# KiCad board ESP32-P4-PC_Rev_B.kicad_pcb
title: ESP32-P4-PC; date: 2026-01-29; rev: B; company: OLIMEX LTD.; note: https://www.olimex.com
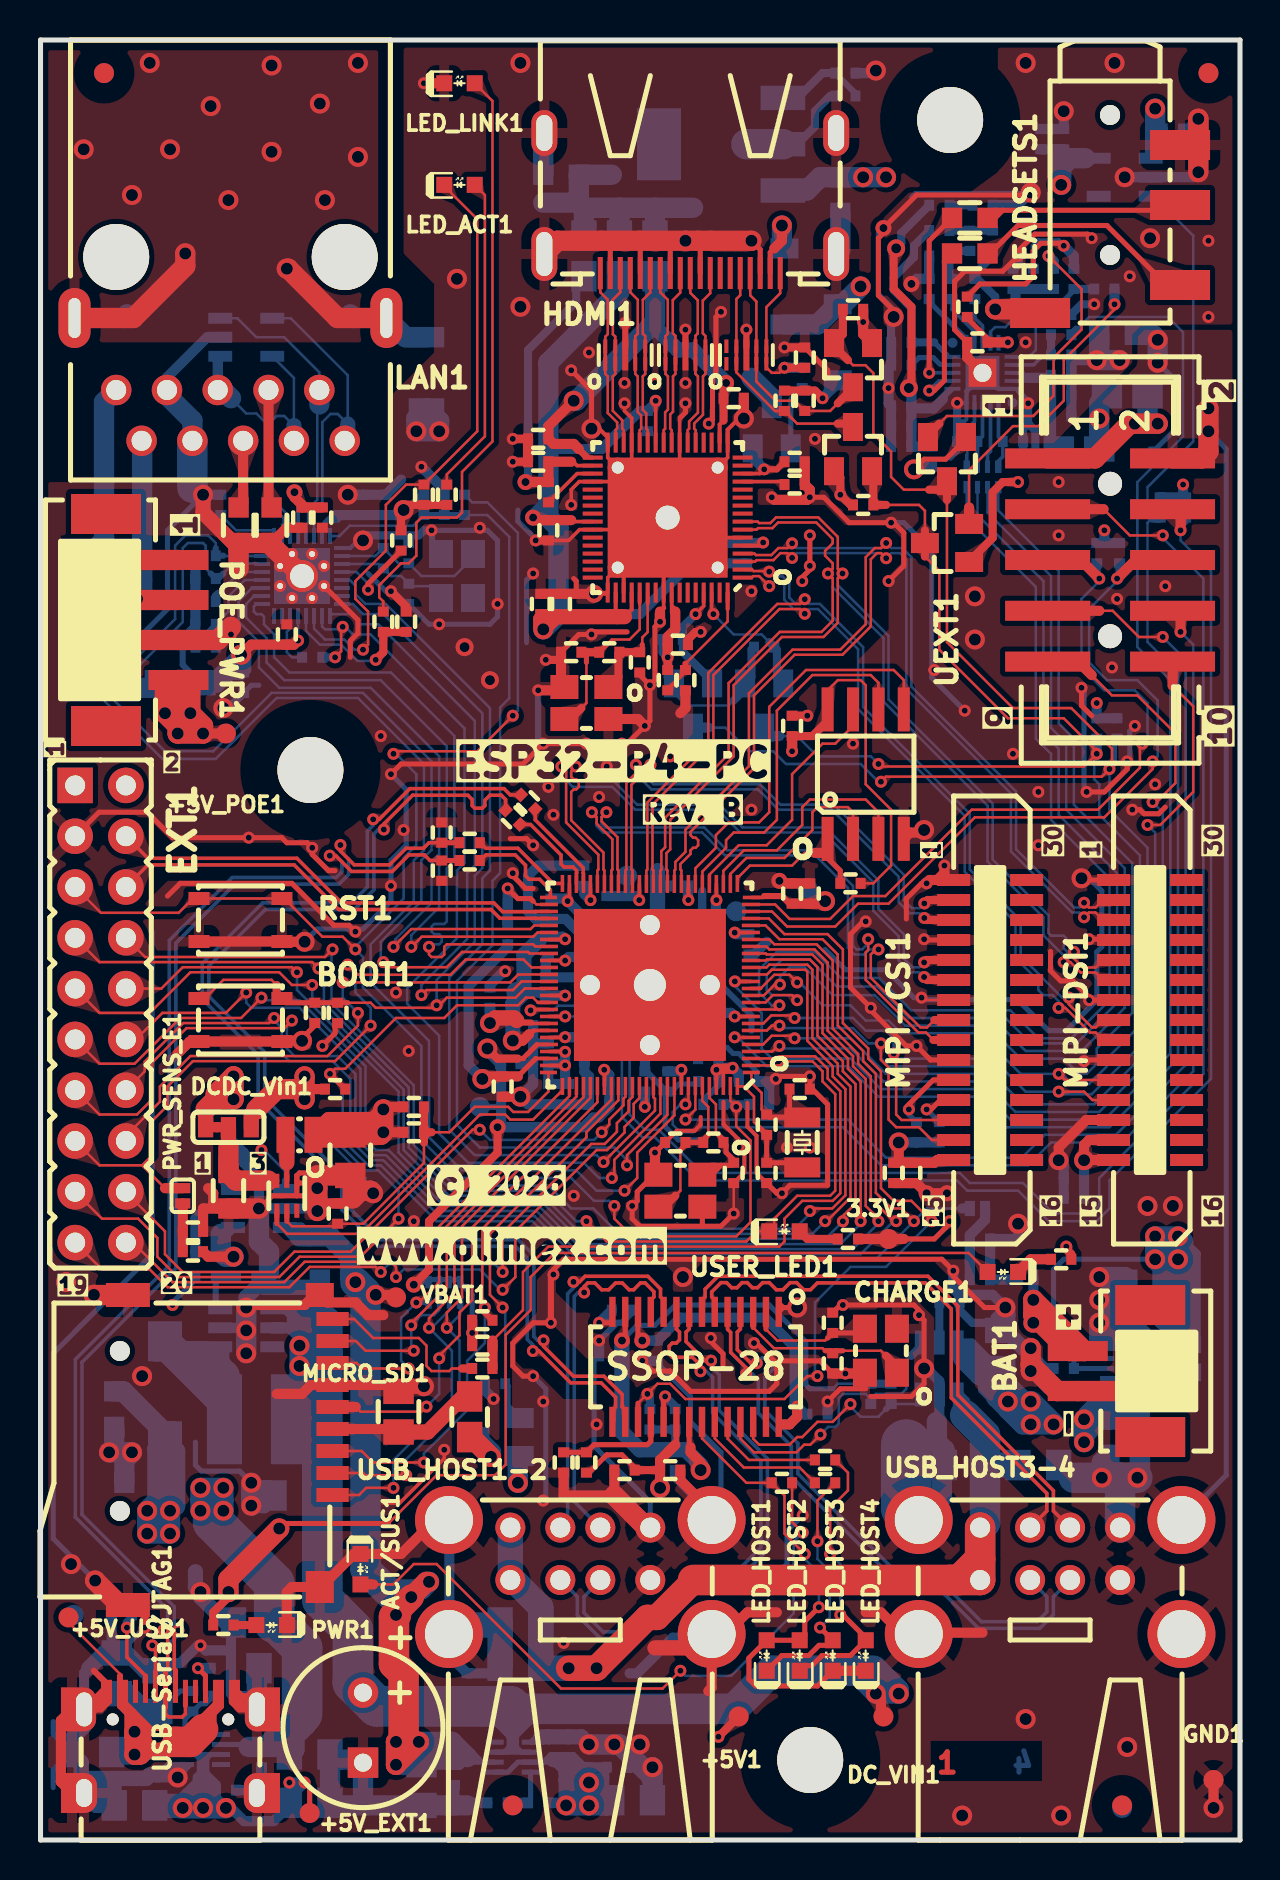
[diagram p0: board, top side]
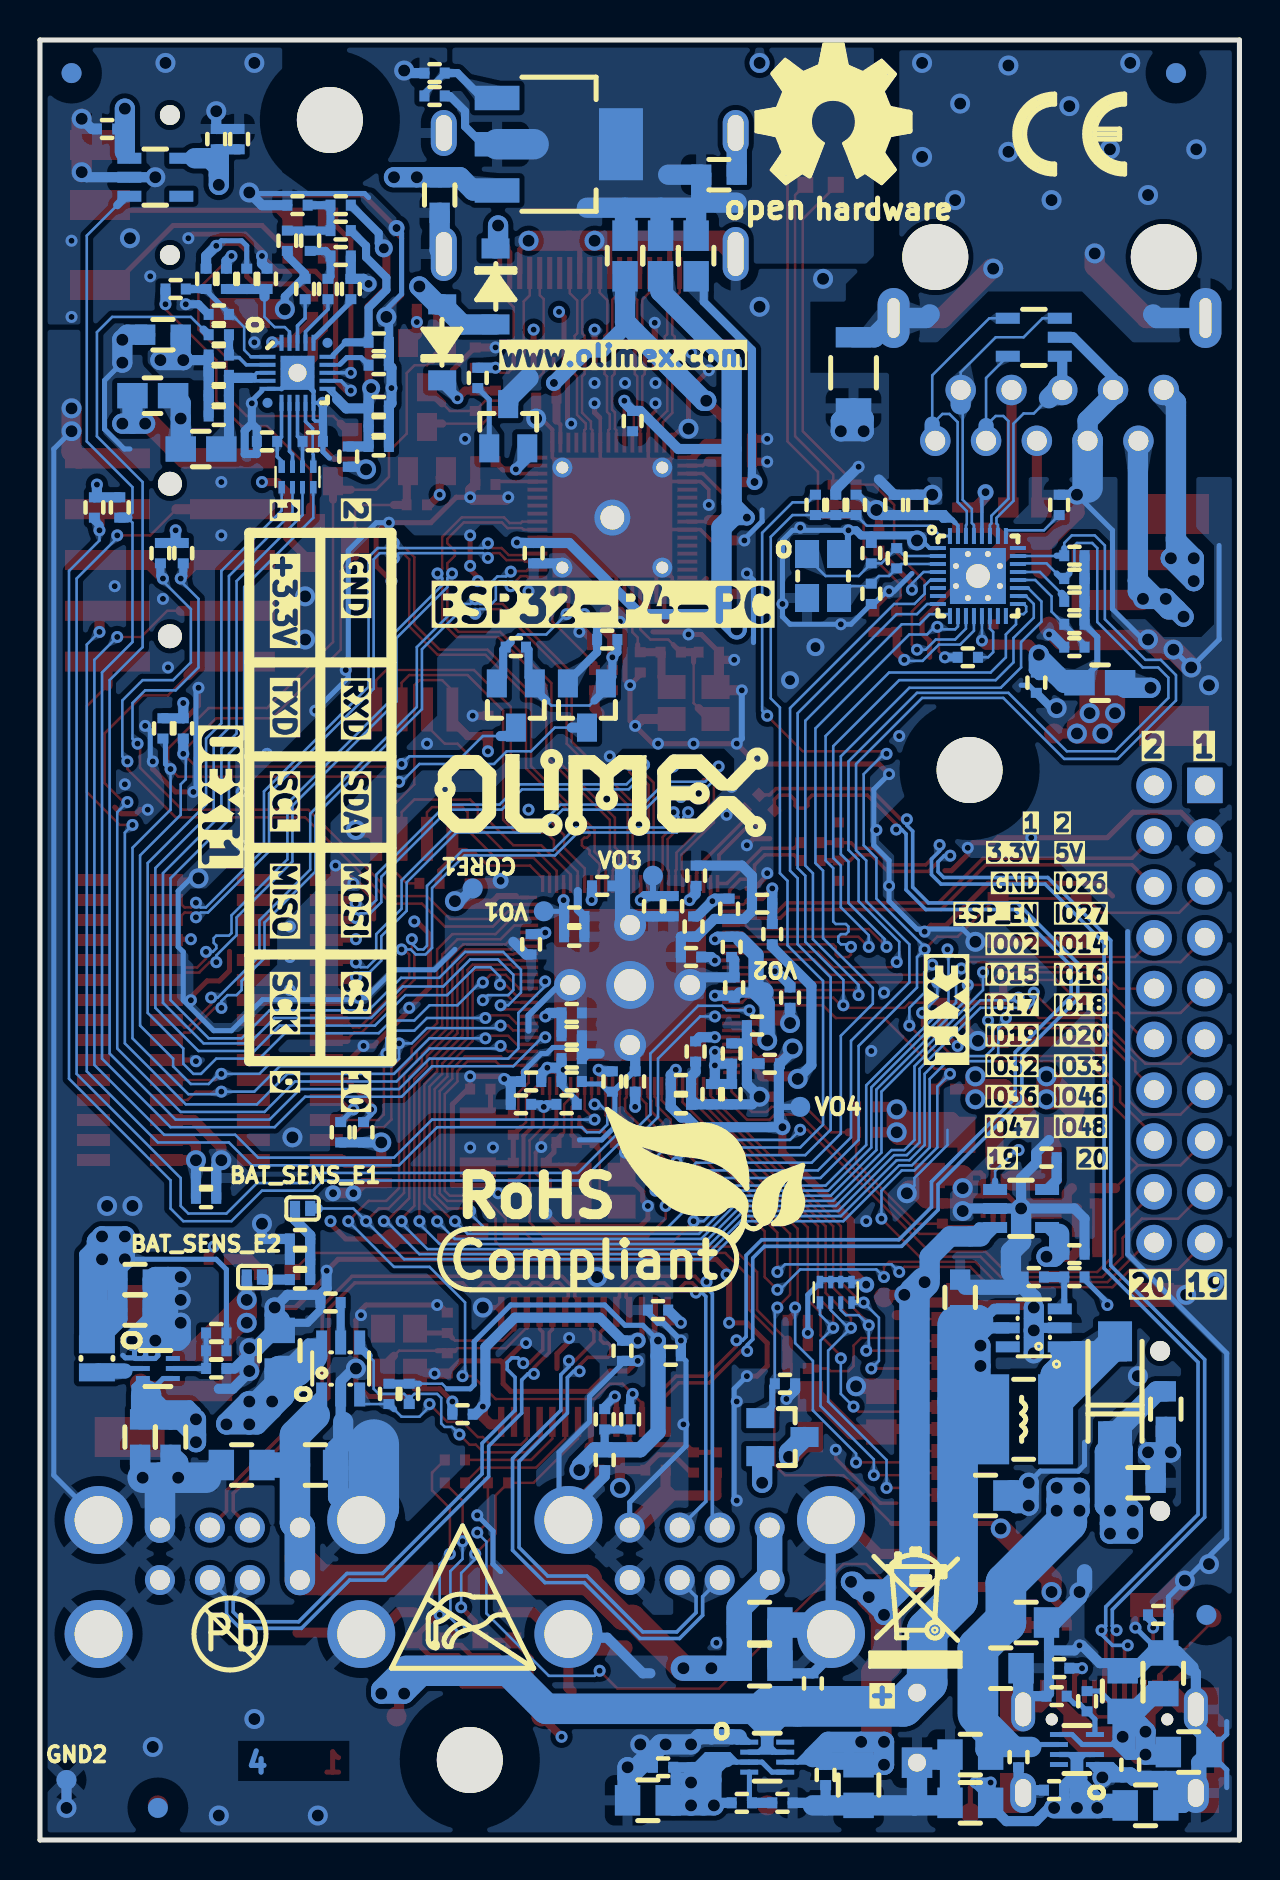
[diagram p1: board, bottom side, seen from below]

Outline 60 x 90 mm; copper layers: Top, In1.Cu, In2.Cu, Bottom. Coordinates in mm from the lower left corner of the outline.
Outline path: 0,90 0,0 60,0 60,90 0,90
Stack: Top 0.035mm / dielectric 0.127mm 2116 er 4.25 / In1.Cu 0.017mm / dielectric 1.2mm FR4 er 4.3 / In2.Cu 0.017mm / dielectric 0.127mm 2116 er 4.25 / Bottom 0.035mm

## Placement (name value [footprint] x y rotation side)
3.3V1  TESTPAD  [TESTPAD_40-ROUND]  42.42 30.05 0 top
+5V1  TESTPAD  [TESTPAD_40-ROUND]  34.93 6.18 0 top
+5V_EXT1  TESTPAD  [TESTPAD_40-ROUND]  13.46 1.35 0 top
+5V_POE1  TESTPAD  [TESTPAD_40-ROUND]  9.27 55.33 0 top
+5V_USB1  TESTPAD  [TESTPAD_40-ROUND]  1.4 11.13 0 top
ACT/SUS1  LED/RED/0603  [LED_0603_KA]  16 13.54 270 top
BAT1  PH2.0-2AT  [PH2.0-2AT(BAT)]  55.78 23.45 90 top
BAT_SENS_E1  Opened  [SJ_1_SMALLER]  46.86 31.58 180 bottom
BAT_SENS_E2  Opened  [SJ_1_SMALLER]  49.28 28.15 0 bottom
BOOT1  -  [YTS-A016-X]  10 41 0 top
C1  22pF/50V/5%/C0G/C0402  [C_0402_5MIL_DWS]  36.32 33.35 90 top
C2  22pF/50V/5%/C0G/C0402  [C_0402_5MIL_DWS]  37.97 37.55 180 top
C3  10uF/6.3V/20%/X5R/C0402  [C_0402_5MIL_DWS]  33.4 40.21 180 bottom
C4  100nF/10V/20%/X5R/C0402  [C_0402_5MIL_DWS]  33.4 41.36 180 bottom
C5  100nF/10V/20%/X5R/C0402  [C_0402_5MIL_DWS]  35.43 44.78 90 bottom
C6  10uF/6.3V/20%/X5R/C0402  [C_0402_5MIL_DWS]  38.48 47.32 90 top
C7  100nF/10V/20%/X5R/C0402  [C_0402_5MIL_DWS]  37.59 47.32 90 top
C8  1uF/6.3V/10%/X5R/C0402  [C_0402_5MIL_DWS]  33.28 45.17 0 bottom
C9  100nF/10V/20%/X5R/C0402  [C_0402_5MIL_DWS]  33.28 46.18 0 bottom
C10  1uF/6.3V/10%/X5R/C0402  [C_0402_5MIL_DWS]  28.32 46.69 270 bottom
C11  100nF/10V/20%/X5R/C0402  [C_0402_5MIL_DWS]  29.34 46.69 270 bottom
C12  100nF/10V/20%/X5R/C0402  [C_0402_5MIL_DWS]  25.53 46.56 270 bottom
C13  4.7uF/X5R/20%/10V/C0402  [C_0402_5MIL_DWS]  27.31 45.67 270 bottom
C14  47uF/6.3V/20%/X5R/C0805  [C_0805_5MIL_DWS]  17.91 21.42 90 top
C15  100nF/50V/20%/Y5V/C0603  [C_0603_5MIL_DWS]  11.56 65.74 90 top
C16  100nF/50V/20%/Y5V/C0603  [C_0603_5MIL_DWS]  9.91 65.74 90 top
C17  1nF/2000V/10%/X7R/C1206  [C_1206_5MIL_DWS_ISO]  19.31 73.36 90 bottom
C18  10uF/6.3V/20%/X5R/C0402  [C_0402_5MIL_DWS]  14.1 66.12 270 top
C19  100nF/10V/20%/X5R/C0402  [C_0402_5MIL_DWS]  13.08 66.12 270 top
C20  10uF/6.3V/20%/X5R/C0402  [C_0402_5MIL_DWS]  10.16 57.86 270 bottom
C21  100nF/10V/20%/X5R/C0402  [C_0402_5MIL_DWS]  12.32 60.28 90 top
C22  10uF/6.3V/20%/X5R/C0402  [C_0402_5MIL_DWS]  17.27 66.75 90 bottom
C23  100nF/10V/20%/X5R/C0402  [C_0402_5MIL_DWS]  16.13 66.75 90 bottom
C24  27pF/50V/5%/C0G/C0402  [C_0402_5MIL_DWS]  18.42 64.34 270 bottom
C25  27pF/50V/5%/C0G/C0402  [C_0402_5MIL_DWS]  18.42 62.31 90 bottom
C26  NA(10uF/6.3V/20%/X5R/C0402)  [C_0402_5MIL_DWS]  20.19 66.75 90 bottom
C27  150pF/50V/2%/NP0/C0402  [C_0402_5MIL_DWS]  20.07 50.37 90 top
C28  150pF/50V/2%/NP0/C0402  [C_0402_5MIL_DWS]  20.07 48.47 270 top
C29  10uF/6.3V/20%/X5R/C0402  [C_0402_5MIL_DWS]  43.56 33.35 270 top
C30  100nF/10V/20%/X5R/C0402  [C_0402_5MIL_DWS]  42.67 33.35 270 top
C31  100nF/10V/20%/X5R/C0402  [C_0402_5MIL_DWS]  9.27 2.49 180 bottom
C32  100nF/10V/20%/X5R/C0402  [C_0402_5MIL_DWS]  27.43 44.15 180 bottom
C33  NA(100nF/10V/20%/X5R/C0402)  [C_0402_5MIL_DWS]  23.88 46.82 180 bottom
C34  NA(22uF/6.3V/20%/X5R/C0603)  [C_0603_5MIL_DWS]  53.47 20.15 270 bottom
C35  22uF/6.3V/20%/X5R/C0603  [C_0603_5MIL_DWS]  9.4 32.47 270 top
C36  1uF/6.3V/10%/X5R/C0402  [C_0402_5MIL_DWS]  22.48 42.12 90 bottom
C37  22uF/6.3V/20%/X5R/C0603  [C_0603_5MIL_DWS]  54.99 20.15 270 bottom
C38  100nF/10V/20%/X5R/C0402  [C_0402_5MIL_DWS]  37.59 55.71 270 top
C39  1uF/6.3V/10%/X5R/C0402  [C_0402_5MIL_DWS]  24.13 40.72 180 bottom
C40  100nF/10V/20%/X5R/C0402  [C_0402_5MIL_DWS]  35.94 36.78 180 bottom
C41  10uF/6.3V/20%/X5R/C0402  [C_0402_5MIL_DWS]  35.43 37.93 180 bottom
C42  100nF/10V/20%/X5R/C0402  [C_0402_5MIL_DWS]  33.4 37.93 0 bottom
C43  100nF/10V/20%/X5R/C0402  [C_0402_5MIL_DWS]  33.4 39.07 0 bottom
C44  22pF/50V/5%/C0G/C0402  [C_0402_5MIL_DWS]  34.67 33.35 90 top
C45  22pF/50V/5%/C0G/C0402  [C_0402_5MIL_DWS]  31.75 34.88 0 top
C46  100nF/10V/20%/X5R/C0402  [C_0402_5MIL_DWS]  31.37 37.93 90 bottom
C47  100nF/10V/20%/X5R/C0402  [C_0402_5MIL_DWS]  30.23 37.93 270 bottom
C48  1uF/6.3V/10%/X5R/C0402  [C_0402_5MIL_DWS]  27.94 36.78 180 bottom
C49  100nF/10V/20%/X5R/C0402  [C_0402_5MIL_DWS]  27.94 37.8 180 bottom
C50  10uF/6.3V/20%/X5R/C0402  [C_0402_5MIL_DWS]  26.42 37.29 90 bottom
C51  100nF/10V/20%/X5R/C0402  [C_0402_5MIL_DWS]  25.4 39.32 270 bottom
C52  100nF/10V/20%/X5R/C0402  [C_0402_5MIL_DWS]  23.12 37.67 90 top
C53  100nF/10V/20%/X5R/C0402  [C_0402_5MIL_DWS]  25.4 37.29 90 bottom
C54  100nF/10V/20%/X5R/C0402  [C_0402_5MIL_DWS]  25.4 44.66 90 bottom
C55  1uF/6.3V/10%/X5R/C0402  [C_0402_5MIL_DWS]  25.27 42.62 270 bottom
C56  10uF/6.3V/20%/X5R/C0402  [C_0402_5MIL_DWS]  51.69 33.1 180 bottom
C57  100nF/10V/20%/X5R/C0402  [C_0402_5MIL_DWS]  51.69 32.08 180 bottom
C58  1uF/6.3V/10%/X5R/C0402  [C_0402_5MIL_DWS]  27.2 39.42 90 bottom
C59  NA(120pF/50V/5%/C0G/C0402)  [C_0402_5MIL_DWS]  51.18 25.35 180 bottom
C60  NA(100nF/10V/20%/X5R/C0402)  [C_0402_5MIL_DWS]  13.72 41.36 270 top
C61  1uF/6.3V/10%/X5R/C0402  [C_0402_5MIL_DWS]  23.5 38.81 180 bottom
C62  NA(120pF/50V/5%/C0G/C0402)  [C_0402_5MIL_DWS]  18.67 36.66 180 top
C63  22uF/6.3V/20%/X5R/C0603  [C_0603_5MIL_DWS]  55.25 26.5 180 bottom
C64  NA(22uF/6.3V/20%/X5R/C0603)  [C_0603_5MIL_DWS]  55.25 28.02 180 bottom
C65  47uF/6.3V/20%/X5R/C0805  [C_0805_5MIL_DWS]  15.5 34.24 270 top
C66  22uF/6.3V/20%/X5R/C0603  [C_0603_5MIL_DWS]  40.01 82.25 270 bottom
C67  10uF/6.3V/20%/X5R/C0402  [C_0402_5MIL_DWS]  31.5 18.5 0 top
C68  10uF/6.3V/20%/X5R/C0402  [C_0402_5MIL_DWS]  31.75 19 270 bottom
C69  100nF/10V/20%/X5R/C0402  [C_0402_5MIL_DWS]  28.45 24.21 180 bottom
C70  10uF/6.3V/20%/X5R/C0402  [C_0402_5MIL_DWS]  30.86 24.46 270 bottom
C71  100nF/10V/20%/X5R/C0402  [C_0402_5MIL_DWS]  38.86 21.29 0 bottom
C72  NA(27pF/50V/5%/C0G/C0402)  [C_0402_5MIL_DWS]  39.62 23.83 270 top
C73  NA(27pF/50V/5%/C0G/C0402)  [C_0402_5MIL_DWS]  39.62 25.86 90 top
C74  47uF/6.3V/20%/X5R/C0805  [C_0805_5MIL_DWS]  48.01 24.46 90 bottom
C75  22uF/6.3V/20%/X5R/C0603  [C_0603_5MIL_DWS]  26.04 83.27 180 bottom
C76  10uF/6.3V/20%/X5R/C0402  [C_0402_5MIL_DWS]  56.64 85.55 0 bottom
C77  20pF/50V/5%/NP0/C0402  [C_0402_5MIL_DWS]  51.06 76.28 0 bottom
C78  20pF/50V/5%/NP0/C0402  [C_0402_5MIL_DWS]  48.64 78.06 90 bottom
C79  27pF/50V/5%/C0G/C0402  [C_0402_5MIL_DWS]  46.36 69.93 180 bottom
C80  27pF/50V/5%/C0G/C0402  [C_0402_5MIL_DWS]  48.64 69.93 0 bottom
C81  27pF/50V/5%/C0G/C0402  [C_0402_5MIL_DWS]  51.06 74.25 0 bottom
C82  10uF/6.3V/20%/X5R/C0402  [C_0402_5MIL_DWS]  51.18 85.04 90 bottom
C83  NA(10uF/6.3V/20%/X5R/C0402)  [C_0402_5MIL_DWS]  51.06 71.2 0 bottom
C84  1uF/6.3V/10%/X5R/C0402  [C_0402_5MIL_DWS]  44.45 77.55 90 bottom
C85  100nF/10V/20%/X5R/C0402  [C_0402_5MIL_DWS]  51.06 73.23 0 bottom
C86  1uF/6.3V/10%/X5R/C0402  [C_0402_5MIL_DWS]  43.05 74.88 180 bottom
C87  100nF/10V/20%/X5R/C0402  [C_0402_5MIL_DWS]  51.06 72.22 0 bottom
C88  1uF/6.3V/10%/X5R/C0402  [C_0402_5MIL_DWS]  43.05 73.74 180 bottom
C89  NA(47uF/6.3V/20%/X5R/C0805)  [C_0805_5MIL_DWS]  49.91 18.75 180 bottom
C90  NA(47uF/6.3V/20%/X5R/C0805)  [C_0805_5MIL_DWS]  24 8.72 0 bottom
C91  100nF/10V/20%/X5R/C0402  [C_0402_5MIL_DWS]  29.21 18.5 0 top
C92  47uF/6.3V/20%/X5R/C0805  [C_0805_5MIL_DWS]  46.23 18.75 0 bottom
C93  47uF/6.3V/20%/X5R/C0805  [C_0805_5MIL_DWS]  24 10.88 0 bottom
C94  100nF/10V/20%/X5R/C0402  [C_0402_5MIL_DWS]  35.31 64.34 270 bottom
C95  100nF/10V/20%/X5R/C0402  [C_0402_5MIL_DWS]  34.67 72.09 0 top
C96  100nF/10V/20%/X5R/C0402  [C_0402_5MIL_DWS]  30.35 70.95 270 bottom
C97  1uF/6.3V/10%/X5R/C0402  [C_0402_5MIL_DWS]  45.59 77.55 270 bottom
C98  1uF/6.3V/10%/X5R/C0402  [C_0402_5MIL_DWS]  46.74 77.55 270 bottom
C99  10uF/6.3V/20%/X5R/C0402  [C_0402_5MIL_DWS]  43.05 69.68 180 bottom
C100  1uF/6.3V/10%/X5R/C0402  [C_0402_5MIL_DWS]  43.05 70.69 180 bottom
C101  100nF/10V/20%/X5R/C0402  [C_0402_5MIL_DWS]  43.05 71.71 0 bottom
C102  22uF/6.3V/20%/X5R/C0603  [C_0603_5MIL_DWS]  46.48 81.11 180 top
C103  22uF/6.3V/20%/X5R/C0603  [C_0603_5MIL_DWS]  46.48 79.33 180 top
C104  1uF/6.3V/10%/X5R/C0402  [C_0402_5MIL_DWS]  47.12 81.74 0 bottom
C105  100nF/10V/20%/X5R/C0402  [C_0402_5MIL_DWS]  32.26 57.99 90 top
C106  100nF/10V/20%/X5R/C0402  [C_0402_5MIL_DWS]  31.88 59.77 180 top
C107  100nF/10V/20%/X5R/C0402  [C_0402_5MIL_DWS]  26.04 61.8 270 top
C108  100nF/10V/20%/X5R/C0402  [C_0402_5MIL_DWS]  25.02 61.8 270 top
C109  100nF/10V/20%/X5R/C0402  [C_0402_5MIL_DWS]  25.4 65.48 90 top
C110  2.2nF/50V/10%/X7R/C0402  [C_0402_5MIL_DWS]  25.4 67.39 270 top
C111  100nF/10V/20%/X5R/C0402  [C_0402_5MIL_DWS]  24.89 68.91 0 top
C112  100nF/10V/20%/X5R/C0402  [C_0402_5MIL_DWS]  24.89 70.06 0 top
C113  27pF/50V/5%/C0G/C0402  [C_0402_5MIL_DWS]  29.97 58.88 90 top
C114  27pF/50V/5%/C0G/C0402  [C_0402_5MIL_DWS]  26.54 59.39 0 top
C115  100nF/10V/20%/X5R/C0402  [C_0402_5MIL_DWS]  46.99 30.05 180 bottom
C116  NA(47uF/6.3V/20%/X5R/C0805)  [C_0805_5MIL_DWS]  12.7 17.22 0 bottom
C117  1000uF/10V/20%  [CPOL-RM3.5mm_8.0x11.5mm_PTH]  16.13 5.62 270 top
C118  47uF/6.3V/20%/X5R/C0805  [C_0805_5MIL_DWS]  4.7 1.73 0 bottom
C119  100nF/10V/20%/X5R/C0402  [C_0402_5MIL_DWS]  5.46 3.76 90 bottom
C120  100nF/10V/20%/X5R/C0402  [C_0402_5MIL_DWS]  11.05 4.14 90 bottom
C121  100nF/10V/20%/X5R/C0402  [C_0402_5MIL_DWS]  20.7 3.25 90 bottom
C122  NA(22uF/6.3V/20%/X5R/C0603)  [C_0603_5MIL_DWS]  3.68 21.54 270 bottom
C123  22uF/6.3V/20%/X5R/C0603  [C_0603_5MIL_DWS]  5.08 17.86 180 bottom
C124  22uF/6.3V/20%/X5R/C0603  [C_0603_5MIL_DWS]  13.97 27.13 90 bottom
C125  NA(47uF/6.3V/20%/X5R/C0805)  [C_0805_5MIL_DWS]  13.46 1.86 0 bottom
C126  1uF/6.3V/10%/X5R/C0402  [C_0402_5MIL_DWS]  8.26 29.29 180 bottom
C127  NA(47uF/6.3V/20%/X5R/C0805)  [C_0805_5MIL_DWS]  3.81 8.33 270 bottom
C128  100nF/10V/20%/X5R/C0402  [C_0402_5MIL_DWS]  21.34 7.83 270 bottom
C129  47uF/6.3V/20%/X5R/C0805  [C_0805_5MIL_DWS]  19.05 2.75 90 bottom
C130  47uF/6.3V/20%/X5R/C0805  [C_0805_5MIL_DWS]  29.59 1.98 0 bottom
C131  100nF/10V/20%/X5R/C0402  [C_0402_5MIL_DWS]  28.83 3.64 180 bottom
C132  47uF/6.3V/20%/X5R/C0805  [C_0805_5MIL_DWS]  5.84 7.45 270 bottom
C133  47uF/6.3V/20%/X5R/C0805  [C_0805_5MIL_DWS]  2.54 4.4 0 bottom
C134  47uF/6.3V/20%/X5R/C0805  [C_0805_5MIL_DWS]  13.46 4.27 180 bottom
C135  NA(47uF/6.3V/20%/X5R/C0805)  [C_0805_5MIL_DWS]  10.67 10.88 0 bottom
C136  47uF/6.3V/20%/X5R/C0805  [C_0805_5MIL_DWS]  11.94 8.59 0 bottom
CHARGE1  LED/Yellow/0603  [LED_0603_KA]  48.13 28.4 180 top
CORE1  TESTPAD  [TESTPAD_40-ROUND]  38.35 47.58 180 bottom
D2  1N5819S4(SOD123)  [SOD-123_1C-2A_KA]  39.88 74.88 90 bottom
D3  1N5819S4(SOD123)  [SOD-123_1C-2A_KA]  37.21 77.68 270 bottom
D4  1N5822/SS34/SMA  [SMA-KA]  6.22 22.43 90 bottom
DC_VIN1  TESTPAD  [TESTPAD_40-ROUND]  42.16 6.18 0 top
DCDC_Vin1  Closed(1-2)  [SJ_2_SMALL_12_TIED]  9.4 35.64 0 top
EXT1  NA(HN2x10)  [HN2x10]  3 41.3 270 top
FET1  IRLML6402(SOT-23)  [SOT23]  22.86 20.15 0 bottom
FET3  BSS138(SOT-23)  [SOT23]  45.34 69.04 90 top
FET4  BSS138(SOT-23)  [SOT23]  45.34 64.85 0 top
FET5  BSS138(SOT-23)  [SOT23]  36.2 56.72 90 bottom
FET6  BSS138(SOT-23)  [SOT23]  32.64 56.72 90 bottom
FET7  BSS138(SOT-23)  [SOT23]  40.64 73.74 90 top
FET8  BSS138(SOT-23)  [SOT23]  40.64 69.55 270 top
FID1  Fiducial  [Fiducial1x3]  23.62 1.73 0 top
FID2  Fiducial  [Fiducial1x3_Paste]  3.18 88.34 0 top
FID3  Fiducial  [Fiducial1x3]  58.42 88.34 0 top
FID4  Fiducial  [Fiducial1x3_Paste]  54.1 1.73 0 top
FID5  Fiducial  [Fiducial1x3]  1.65 11.26 270 bottom
FID6  Fiducial  [Fiducial1x3_Paste]  3.18 88.34 270 bottom
FID7  Fiducial  [Fiducial1x3]  58.42 88.34 180 bottom
FID8  Fiducial  [Fiducial1x3_Paste]  54.1 1.6 180 bottom
GND1  TESTPAD  [TESTPAD_40-ROUND]  58.68 3 0 top
GND2  TESTPAD  [TESTPAD_40-ROUND]  58.68 3 180 bottom
HDMI1  HDMI-SWM-19  [HDMI-SWM-19_Paste]  32.5 83.9 0 top
HEADSETS1  -  [PJ-320D]  53.5 82.9 270 top
L1  600OHM/2A/UPZ2012E-601-2R0TF/0805  [L_0805_5MIL_DWS]  21.46 21.16 90 top
L2  600OHM/2A/UPZ2012E-601-2R0TF/0805  [L_0805_5MIL_DWS]  6.99 57.86 0 bottom
L3  1.0uH/4.2A/DCR=35mR/20%/2.00x1.60x1.00mm/L2016(PIM201610-1R0MTS00)  [L_2016_MM]  57.15 24.08 90 bottom
L4  1.0uH/4.2A/DCR=35mR/20%/2.00x1.60x1.00mm/L2016(PIM201610-1R0MTS00)  [L_2016_MM]  12.96 35.26 0 top
L5  600OHM/2A/UPZ2012E-601-2R0TF/0805  [L_0805_5MIL_DWS]  51.94 69.55 180 bottom
L6  600OHM/2A/UPZ2012E-601-2R0TF/0805  [L_0805_5MIL_DWS]  27.18 79.2 270 bottom
L7  600OHM/2A/UPZ2012E-601-2R0TF/0805  [L_0805_5MIL_DWS]  28.96 79.2 270 bottom
L8  600OHM/2A/UPZ2012E-601-2R0TF/0805  [L_0805_5MIL_DWS]  30.74 79.2 270 bottom
L9  NA(600OHM/2A/UPZ2012E-601-2R0TF/0805)  [L_0805_5MIL_DWS]  54.36 72.22 180 bottom
L11  4.7uH/2.33A/DCR=70mR/20%/CD43(NRS4018T4R7MDGJ)  [CD42(43)]  10.8 21.03 0 bottom
LAN1  -  [RJP-003TC1(LPJ4112CNL)]  9.5 79 180 top
LED_ACT1  LED/Yellow/0603  [LED_0603_KA]  20.96 82.76 0 top
LED_HOST1  LED/GREEN/0603  [LED_0603_KA]  36.32 9.22 90 top
LED_HOST2  LED/GREEN/0603  [LED_0603_KA]  37.97 9.22 90 top
LED_HOST3  LED/GREEN/0603  [LED_0603_KA]  39.62 9.22 90 top
LED_HOST4  LED/GREEN/0603  [LED_0603_KA]  41.28 9.22 90 top
LED_LINK1  LED/GREEN/0603  [LED_0603_KA]  20.96 87.84 0 top
Logo_OLIMEX_TB  -  [Logo_OLIMEX_TB]  31.75 52.4 180 bottom
MH1  Mounting_Hole_NPTH  [Mounting_Hole_Drill-3.3mm_Clerance-7mm]  45.5 86 90 top
MH2  Mounting_Hole_NPTH  [Mounting_Hole_Drill-3.3mm_Clerance-7mm]  38.5 4 0 top
MH3  Mounting_Hole_NPTH  [Mounting_Hole_Drill-3.3mm_Clerance-7mm]  13.5 53.5 0 top
MICRO_SD1  TFC-WPAPR-08-LF  [TFC-WPAPR-08]  7.6 19.5 180 top
MIPI-CSI1  FPA-VZA2-15-LF  [TE_1-1734248-5]  47.5 41 90 top
MIPI-DSI1  FPA-VZA2-15-LF  [TE_1-1734248-5]  55.5 41 90 top
POE_PWR1  PH2.0-4AT  [PH2.0-4PLB]  3 61 270 top
PWR1  LED/RED/0603  [LED_0603_KA]  11.56 10.75 180 top
PWR_SENS_E1  Opened  [SJ_1_SMALLER]  7.11 32.21 90 top
Q1  Q32.768kHz/12.5pF/2P/SMD1206  [CM7V-T1A(Crystal_Package-1206_3.20x1.50x0.65mm)]  38.1 34.88 90 top
Q2  Q25MHz/18pF/30ppm/4P/3.2x2.5mm(ABM8-25.000MHZ-D2Y-T)  [TSX-3.2x2.5mm_GND(3)]  20.83 63.2 270 bottom
Q3  Q40.000MHz/12pF/10ppm/4P/3.2x2.5x0.70mm(Harmony_Electronics_CORP./HSX321S)  [TSX-3.2x2.5mm_GND(3)]  32 32.47 180 top
Q4  Q12MHz/18pF/30ppm/4P/3.2x2.5mm(ABM8-12.000MHZ-D2Y-T)  [TSX-3.2x2.5mm_GND(3)]  42.04 24.46 90 top
Q5  BC817-40  [SOT23]  36.58 70.69 270 bottom
Q6  Q25MHz/18pF/30ppm/4P/3.2x2.5mm(ABM8-25.000MHZ-D2Y-T)  [TSX-3.2x2.5mm_GND(3)]  27.31 56.85 180 top
R1  4.02k/1%/R0402  [R_0402_5MIL_DWS]  31.88 47.7 180 bottom
R2  4.02k/1%/R0402  [R_0402_5MIL_DWS]  27.18 48.21 90 bottom
R3  10k/R0402  [R_0402_5MIL_DWS]  22.73 22.81 0 bottom
R4  2.2k/R0402  [R_0402_5MIL_DWS]  40.39 30.05 180 top
R5  5.1k/1%/R0402  [R_0402_5MIL_DWS]  9.02 8.59 180 bottom
R6  5.1k/1%/R0402  [R_0402_5MIL_DWS]  4.06 11.26 0 bottom
R7  4.7k/R0402  [R_0402_5MIL_DWS]  19.18 67.26 270 top
R8  2.2k/R0402  [R_0402_5MIL_DWS]  20.32 67.26 270 top
R9  2.2k/R0402  [R_0402_5MIL_DWS]  17.15 60.91 270 top
R10  4.7k/R0402  [R_0402_5MIL_DWS]  18.29 60.91 270 top
R11  4.7k/R0402  [R_0402_5MIL_DWS]  22.1 25.99 0 top
R12  4.7k/R0402  [R_0402_5MIL_DWS]  22.1 24.72 0 top
R13  10M/R0402  [R_0402_5MIL_DWS]  36.32 35.77 90 top
R14  22R/R0402  [R_0402_5MIL_DWS]  24.38 51.9 135 top
R15  22R/R0402  [R_0402_5MIL_DWS]  23.62 51.13 135 top
R16  22R/R0402  [R_0402_5MIL_DWS]  22.1 23.58 180 top
R17  6.19k/1%/R0402  [R_0402_5MIL_DWS]  9.02 66.75 90 bottom
R18  NA(10k/R0402)  [R_0402_5MIL_DWS]  19.18 66.75 270 bottom
R19  NA/R0402  [R_0402_5MIL_DWS]  21.21 66.75 270 bottom
R20  NA(10M/R0402)  [R_0402_5MIL_DWS]  17.15 64.09 90 bottom
R21  4.7k/R0402  [R_0402_5MIL_DWS]  18.03 64.98 270 top
R22  4.7k/R0402  [R_0402_5MIL_DWS]  8.26 60.79 0 bottom
R23  NA(4.7k/R0402)  [R_0402_5MIL_DWS]  8.26 59.64 180 bottom
R24  24.9k/1%/R0402  [R_0402_5MIL_DWS]  7.62 6.94 90 bottom
R25  22R/R0402  [R_0402_5MIL_DWS]  21.46 48.97 0 top
R26  22R/R0402  [R_0402_5MIL_DWS]  21.46 49.86 0 top
R27  10k/R0402  [R_0402_5MIL_DWS]  43.82 35.39 90 bottom
R28  NA(10k/R0402)  [R_0402_5MIL_DWS]  44.96 35.39 90 bottom
R29  NA(2.2k/R0402)  [R_0402_5MIL_DWS]  52.83 55.58 270 bottom
R30  NA(2.2k/R0402)  [R_0402_5MIL_DWS]  53.85 55.58 270 bottom
R31  0R/R0603  [R_0603_5MIL_DWS]  53.85 75.26 180 bottom
R32  NA/R0402  [R_0402_5MIL_DWS]  33.66 34.88 180 top
R33  4.7k/R0402  [R_0402_5MIL_DWS]  57.28 66.63 90 bottom
R34  1.5k/R0402  [R_0402_5MIL_DWS]  8.26 63.07 0 bottom
R35  1.5k/R0402  [R_0402_5MIL_DWS]  8.26 64.22 0 bottom
R36  220k/R0402  [R_0402_5MIL_DWS]  7.62 29.42 180 top
R37  4.7k/R0402  [R_0402_5MIL_DWS]  8.26 61.93 0 bottom
R38  22R/R0402  [R_0402_5MIL_DWS]  13.59 59.13 180 bottom
R39  2.2k/R0402  [R_0402_5MIL_DWS]  9.15 10.75 180 top
R40  NA(0R/R0402)  [R_0402_5MIL_DWS]  23.37 45.29 90 bottom
R41  10k/R0402  [R_0402_5MIL_DWS]  33.66 36.78 0 bottom
R42  10k/R0402  [R_0402_5MIL_DWS]  14.73 37.55 0 top
R43  10k/R0402  [R_0402_5MIL_DWS]  14.86 41.36 90 top
R44  30.1k/1%/R0402  [R_0402_5MIL_DWS]  51.18 24.46 180 bottom
R45  6.49k/1%/R0402  [R_0402_5MIL_DWS]  51.18 23.58 180 bottom
R46  10.5k/1%/R0402  [R_0402_5MIL_DWS]  18.67 35.39 180 top
R47  10.5k/1%/R0402  [R_0402_5MIL_DWS]  14.86 31.32 90 top
R48  10k/R0402  [R_0402_5MIL_DWS]  40.51 47.83 180 top
R49  4.7k/R0402  [R_0402_5MIL_DWS]  56.01 66.63 270 bottom
R50  110R/1%/R0402  [R_0402_5MIL_DWS]  40.26 88.34 180 bottom
R51  49.9k/1%/R0402  [R_0402_5MIL_DWS]  45.47 26.88 180 bottom
R52  240R/1%/R0402  [R_0402_5MIL_DWS]  40.26 87.2 0 bottom
R53  2.7k/1%/R0402  [R_0402_5MIL_DWS]  29.08 26.5 180 bottom
R54  10k/R0402  [R_0402_5MIL_DWS]  30.48 21.03 90 bottom
R55  10k/R0402  [R_0402_5MIL_DWS]  31.75 21.03 90 bottom
R56  2.2k/R0402  [R_0402_5MIL_DWS]  51.69 78.06 90 bottom
R57  2.2k/R0402  [R_0402_5MIL_DWS]  49.66 78.06 90 bottom
R58  33R/R0402  [R_0402_5MIL_DWS]  53.21 77.55 0 bottom
R59  33R/R0402  [R_0402_5MIL_DWS]  50.67 78.06 90 bottom
R60  33R/R0402  [R_0402_5MIL_DWS]  51.06 75.26 0 bottom
R61  2.2k/R0402  [R_0402_5MIL_DWS]  36.2 59.64 0 bottom
R62  2.2k/R0402  [R_0402_5MIL_DWS]  31.62 60.02 0 bottom
R63  NA/R0402  [R_0402_5MIL_DWS]  46.36 76.66 90 top
R64  10k/R0402  [R_0402_5MIL_DWS]  46.86 74.88 180 top
R65  100k/R0402  [R_0402_5MIL_DWS]  37.72 68.91 0 top
R66  10k/R0402  [R_0402_5MIL_DWS]  41.53 22.31 90 bottom
R67  10k/R0402  [R_0402_5MIL_DWS]  42.55 22.31 90 bottom
R68  10k/R0402  [R_0402_5MIL_DWS]  50.04 85.04 90 bottom
R69  4.7k/R0402  [R_0402_5MIL_DWS]  27.31 18.88 270 top
R70  10k/R0402  [R_0402_5MIL_DWS]  26.16 18.88 270 top
R71  100k/R0402  [R_0402_5MIL_DWS]  38.1 73.1 90 bottom
R72  2.2k/R0402  [R_0402_5MIL_DWS]  39.24 17.86 0 top
R73  2.2k/R0402  [R_0402_5MIL_DWS]  39.24 19 0 top
R74  2.2k/R0402  [R_0402_5MIL_DWS]  37.09 17.86 0 top
R75  100k/R0402  [R_0402_5MIL_DWS]  38.23 74.12 90 top
R76  6.04k/1%/R0402  [R_0402_5MIL_DWS]  37.72 67.77 180 top
R77  10R/R0402  [R_0402_5MIL_DWS]  44.58 69.17 90 bottom
R78  NA(200R/R0402)  [R_0402_5MIL_DWS]  44.96 81.74 180 bottom
R79  200R/R0402  [R_0402_5MIL_DWS]  44.96 80.47 180 bottom
R80  2.2k/R0402  [R_0402_5MIL_DWS]  46.48 79.96 270 bottom
R81  NA/R0402  [R_0402_5MIL_DWS]  44.96 79.2 0 bottom
R82  2.2k/R0402  [R_0402_5MIL_DWS]  47.63 79.96 270 bottom
R83  10k/R0402  [R_0402_5MIL_DWS]  40.64 76.53 180 top
R84  2.2k/R0402  [R_0402_5MIL_DWS]  38.23 71.96 270 top
R85  10k/R0402  [R_0402_5MIL_DWS]  31.37 57.99 90 top
R86  10k/R0402  [R_0402_5MIL_DWS]  41.15 66.75 0 top
R87  1M/R0402  [R_0402_5MIL_DWS]  28.45 59.39 180 top
R88  2.2k/R0402  [R_0402_5MIL_DWS]  37.21 71.96 270 top
R89  6.81k/1%/R0402  [R_0402_5MIL_DWS]  9.15 7.19 0 bottom
R90  470k/R0402  [R_0402_5MIL_DWS]  46.99 28.02 180 bottom
R91  2.2k/R0402  [R_0402_5MIL_DWS]  51.06 29.04 0 top
R92  2.2k/R0402  [R_0402_5MIL_DWS]  52.83 64.34 90 bottom
R93  2.2k/R0402  [R_0402_5MIL_DWS]  53.98 64.34 90 bottom
R94  470k/R0402  [R_0402_5MIL_DWS]  7.62 30.43 0 top
R95  8.25k/1%/R0402  [R_0402_5MIL_DWS]  8.26 28.15 0 bottom
R96  470k/R0402  [R_0402_5MIL_DWS]  46.99 29.04 0 bottom
R98  1.05k/1%/R0402  [R_0402_5MIL_DWS]  10.29 28.15 0 bottom
R102  10k/R0402  [R_0402_5MIL_DWS]  9.65 34.12 0 bottom
R103  6.81k/1%/R0402  [R_0402_5MIL_DWS]  22.86 1.86 180 bottom
R105  24.9k/1%/R0402  [R_0402_5MIL_DWS]  24.89 1.86 0 bottom
RM1  RMAT_(4x0402)_4.7k  [RA0805_(4X0402)_xx_BIGGEROUTPADS]  20.19 27.39 180 bottom
RM2  RA0805_(4X0402)_33R  [RA0805_(4X0402)_xx_BIGGEROUTPADS]  47.12 68.15 180 bottom
RST1  -  [YTS-A016-X]  10 46 0 top
Sign_Antistatic  -  [Sign_Antistatic]  42.42 8.59 180 bottom
Sign_CE  -  [CE_Sign]  7.49 85.3 180 bottom
Sign_OSHW_8x8  -  [Sign_OSHW_8x8]  20.32 85.81 180 bottom
Sign_PB-Free  -  [Sign_PB-Free]  50.29 9.99 180 bottom
Sign_RecycleBin_1  -  [Sign_RecycleBin_1]  18.54 8.59 180 bottom
Sign_RoHS_1  -  [Sign_RoHS_1]  38.99 28.15 180 bottom
TVS1  ESDS314DBVR(SOT-23-5)  [SOT-23-5]  10.29 75.14 180 bottom
U1  ESP32-P4NRWxx(QFN104)  [QFN104_10mm×10mm_Pitch_0.35mm]  30.48 42.75 90 top